# Altium PCB STB_LightBoard.PcbDoc (part 9 of 31) (continued)
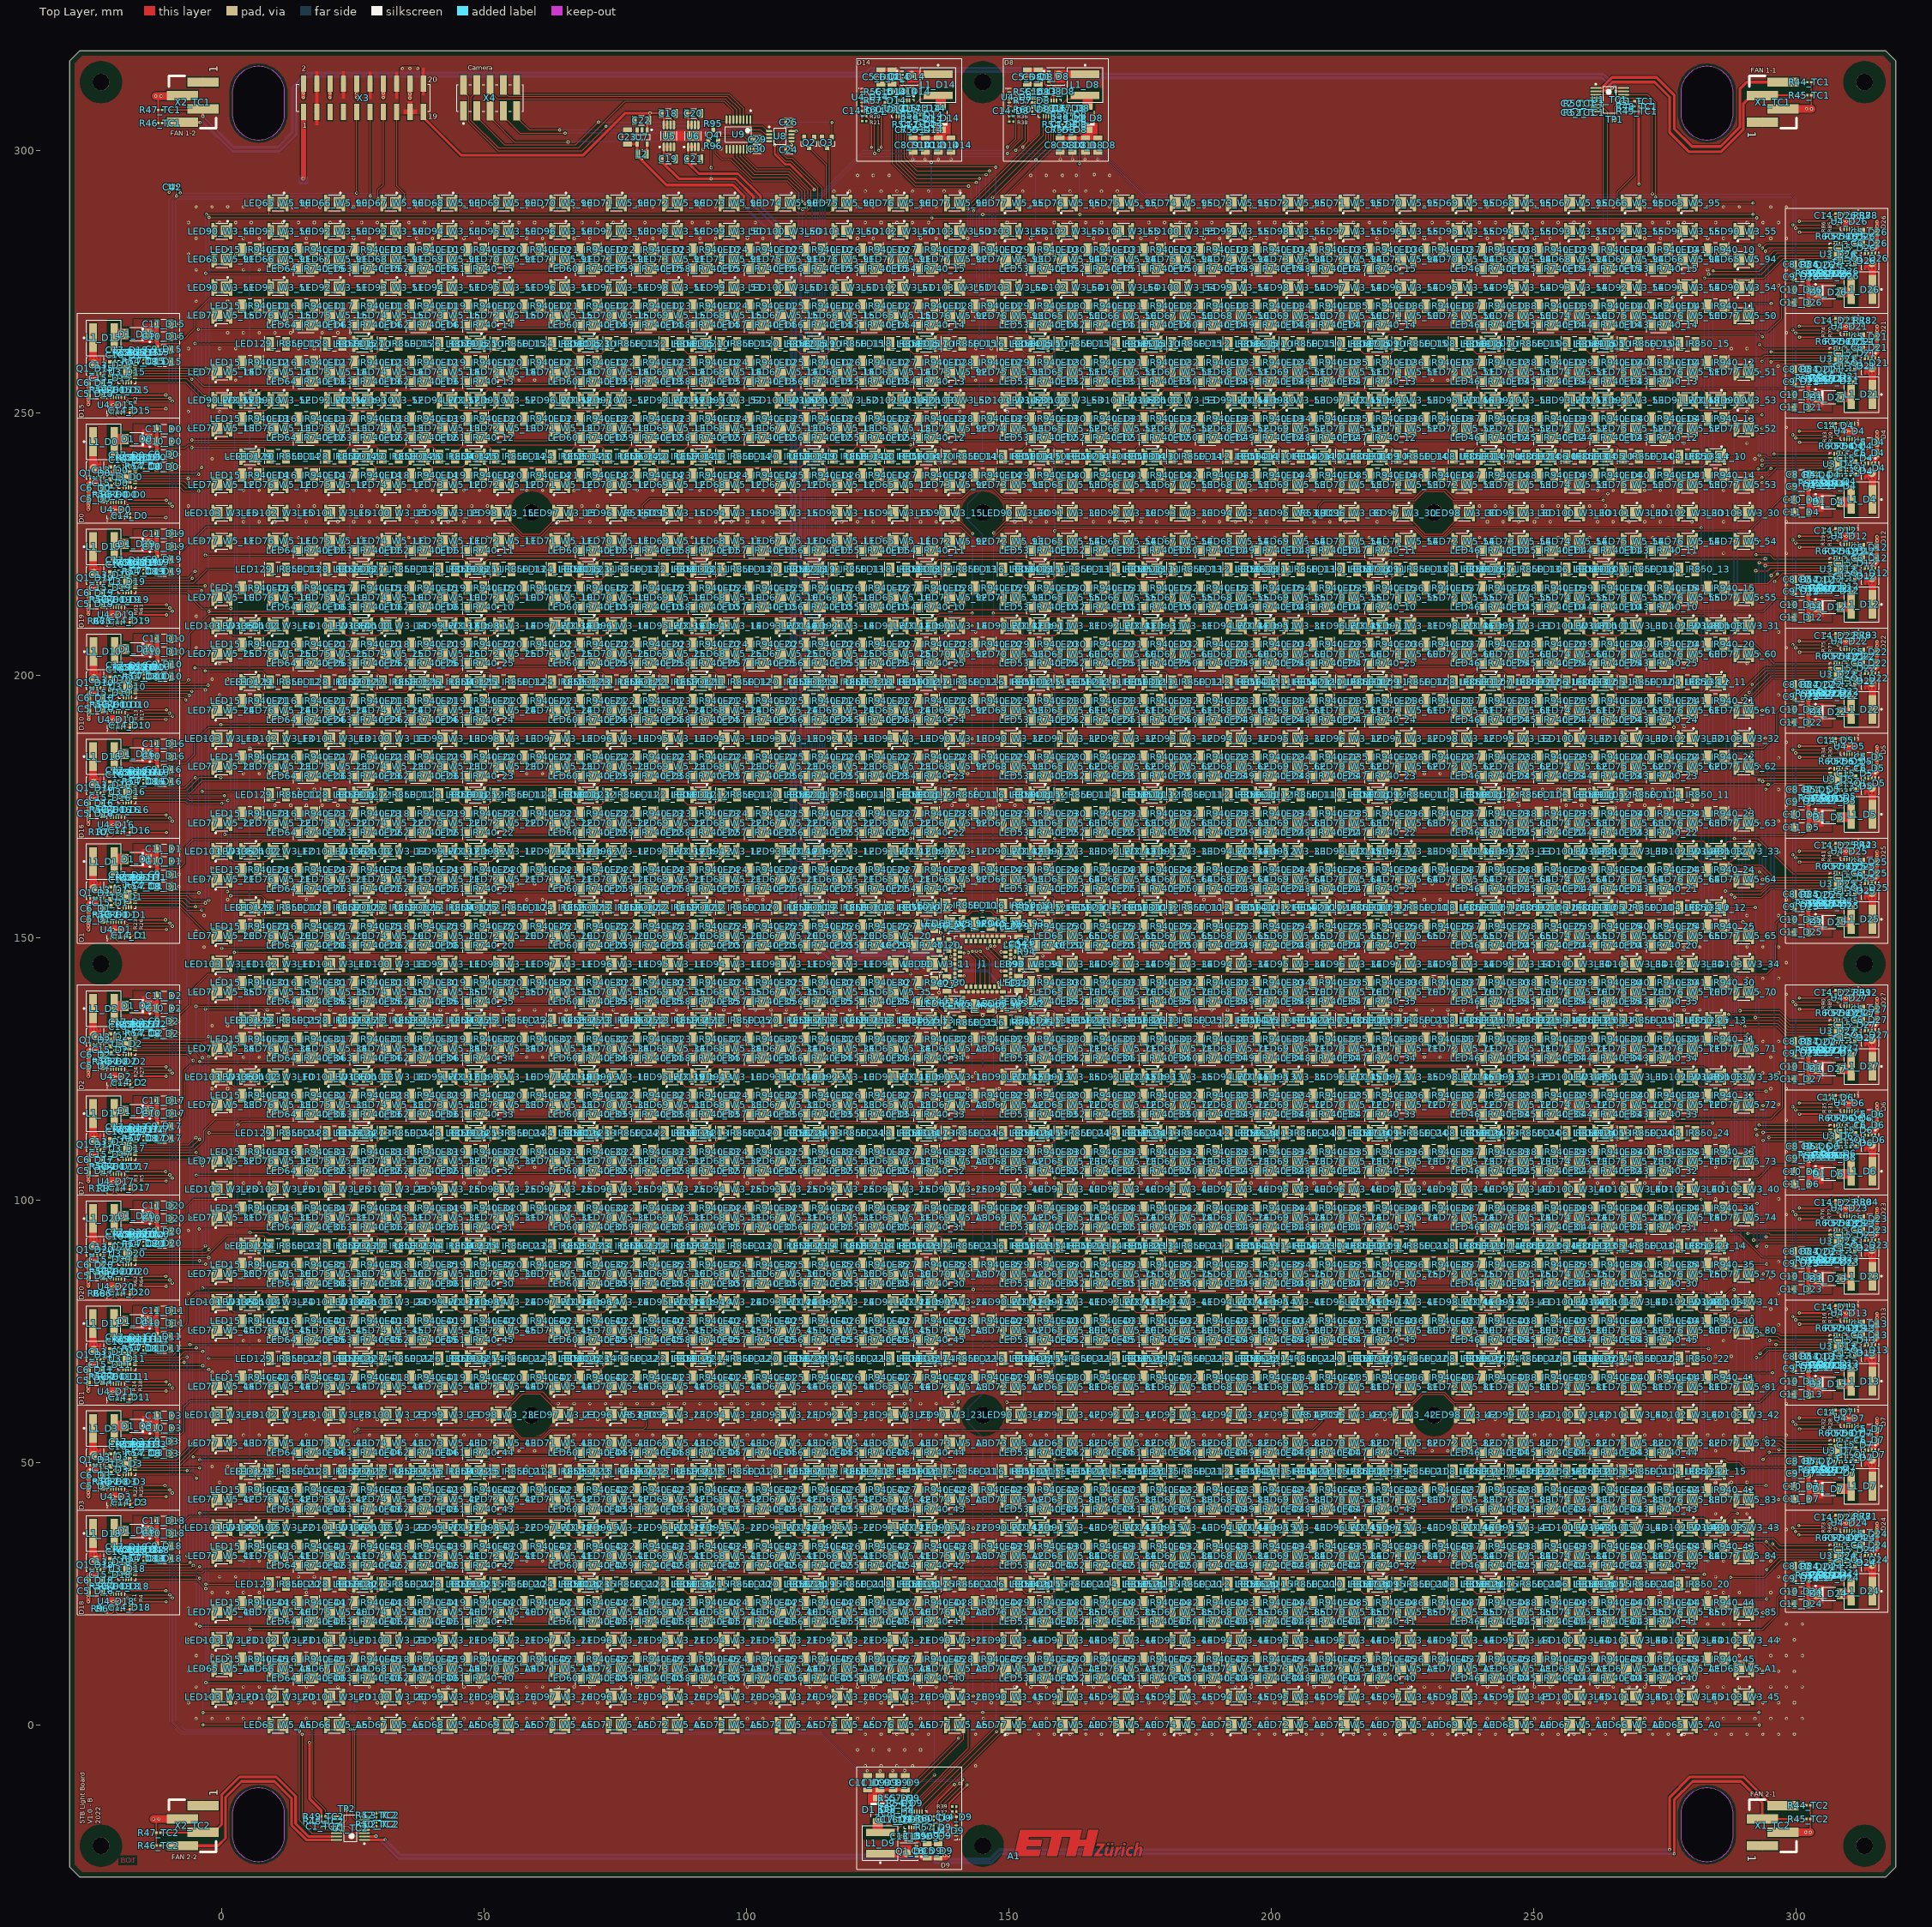
[diagram p0: Top Layer view]
## Components (designator, comment, footprint, x,y, rotation, side; value= is the part's Value field where it differs from the comment) (continued)
LED96_W3_13 "NF2L757GT-F1" NF2W757GT-F1 75.187,187.95 r0 top (schematic designator LED96)
LED96_W3_14 "NF2L757GT-F1" NF2W757GT-F1 75.187,209.43 r0 top (schematic designator LED96)
LED96_W3_15 "NF2L757GT-F1" NF2W757GT-F1 75.187,230.91 r0 top (schematic designator LED96)
LED96_W3_20 "NF2L757GT-F1" NF2W757GT-F1 75.187,5.37 r0 top (schematic designator LED96)
LED96_W3_21 "NF2L757GT-F1" NF2W757GT-F1 75.187,16.11 r0 top (schematic designator LED96)
LED96_W3_22 "NF2L757GT-F1" NF2W757GT-F1 75.187,37.59 r0 top (schematic designator LED96)
LED96_W3_23 "NF2L757GT-F1" NF2W757GT-F1 75.187,59.07 r0 top (schematic designator LED96)
LED96_W3_24 "NF2L757GT-F1" NF2W757GT-F1 75.187,80.55 r0 top (schematic designator LED96)
LED96_W3_25 "NF2L757GT-F1" NF2W757GT-F1 75.187,102.03 r0 top (schematic designator LED96)
LED96_W3_30 "NF2L757GT-F1" NF2W757GT-F1 214.82,230.91 r180 top (schematic designator LED96)
LED96_W3_31 "NF2L757GT-F1" NF2W757GT-F1 214.82,209.43 r180 top (schematic designator LED96)
LED96_W3_32 "NF2L757GT-F1" NF2W757GT-F1 214.82,187.95 r180 top (schematic designator LED96)
LED96_W3_33 "NF2L757GT-F1" NF2W757GT-F1 214.82,166.47 r180 top (schematic designator LED96)
LED96_W3_34 "NF2L757GT-F1" NF2W757GT-F1 214.82,144.99 r180 top (schematic designator LED96)
LED96_W3_35 "NF2L757GT-F1" NF2W757GT-F1 214.82,123.51 r180 top (schematic designator LED96)
LED96_W3_40 "NF2L757GT-F1" NF2W757GT-F1 214.82,102.03 r180 top (schematic designator LED96)
LED96_W3_41 "NF2L757GT-F1" NF2W757GT-F1 214.82,80.55 r180 top (schematic designator LED96)
LED96_W3_42 "NF2L757GT-F1" NF2W757GT-F1 214.82,59.07 r180 top (schematic designator LED96)
LED96_W3_43 "NF2L757GT-F1" NF2W757GT-F1 214.82,37.59 r180 top (schematic designator LED96)
LED96_W3_44 "NF2L757GT-F1" NF2W757GT-F1 214.82,16.11 r180 top (schematic designator LED96)
LED96_W3_45 "NF2L757GT-F1" NF2W757GT-F1 214.82,5.37 r180 top (schematic designator LED96)
LED96_W3_50 "NF2L757GT-F1" NF2W757GT-F1 64.446,284.61 r180 top (schematic designator LED96)
LED96_W3_51 "NF2L757GT-F1" NF2W757GT-F1 64.446,273.87 r180 top (schematic designator LED96)
LED96_W3_52 "NF2L757GT-F1" NF2W757GT-F1 64.446,252.39 r180 top (schematic designator LED96)
LED96_W3_53 "NF2L757GT-F1" NF2W757GT-F1 225.561,252.39 r0 top (schematic designator LED96)
LED96_W3_54 "NF2L757GT-F1" NF2W757GT-F1 225.561,273.87 r0 top (schematic designator LED96)
LED96_W3_55 "NF2L757GT-F1" NF2W757GT-F1 225.561,284.61 r0 top (schematic designator LED96)
LED97_W3_10 "NF2L757GT-F1" NF2W757GT-F1 64.446,123.51 r0 top (schematic designator LED97)
LED97_W3_11 "NF2L757GT-F1" NF2W757GT-F1 64.446,144.99 r0 top (schematic designator LED97)
LED97_W3_12 "NF2L757GT-F1" NF2W757GT-F1 64.446,166.47 r0 top (schematic designator LED97)
LED97_W3_13 "NF2L757GT-F1" NF2W757GT-F1 64.446,187.95 r0 top (schematic designator LED97)
LED97_W3_14 "NF2L757GT-F1" NF2W757GT-F1 64.446,209.43 r0 top (schematic designator LED97)
LED97_W3_15 "NF2L757GT-F1" NF2W757GT-F1 64.946,230.91 r0 top (schematic designator LED97)
LED97_W3_20 "NF2L757GT-F1" NF2W757GT-F1 64.446,5.37 r0 top (schematic designator LED97)
LED97_W3_21 "NF2L757GT-F1" NF2W757GT-F1 64.446,16.11 r0 top (schematic designator LED97)
LED97_W3_22 "NF2L757GT-F1" NF2W757GT-F1 64.446,37.59 r0 top (schematic designator LED97)
LED97_W3_23 "NF2L757GT-F1" NF2W757GT-F1 64.946,59.07 r0 top (schematic designator LED97)
LED97_W3_24 "NF2L757GT-F1" NF2W757GT-F1 64.446,80.55 r0 top (schematic designator LED97)
LED97_W3_25 "NF2L757GT-F1" NF2W757GT-F1 64.446,102.03 r0 top (schematic designator LED97)
LED97_W3_30 "NF2L757GT-F1" NF2W757GT-F1 225.061,230.91 r180 top (schematic designator LED97)
LED97_W3_31 "NF2L757GT-F1" NF2W757GT-F1 225.561,209.43 r180 top (schematic designator LED97)
LED97_W3_32 "NF2L757GT-F1" NF2W757GT-F1 225.561,187.95 r180 top (schematic designator LED97)
LED97_W3_33 "NF2L757GT-F1" NF2W757GT-F1 225.561,166.47 r180 top (schematic designator LED97)
LED97_W3_34 "NF2L757GT-F1" NF2W757GT-F1 225.561,144.99 r180 top (schematic designator LED97)
LED97_W3_35 "NF2L757GT-F1" NF2W757GT-F1 225.561,123.51 r180 top (schematic designator LED97)
LED97_W3_40 "NF2L757GT-F1" NF2W757GT-F1 225.561,102.03 r180 top (schematic designator LED97)
LED97_W3_41 "NF2L757GT-F1" NF2W757GT-F1 225.561,80.55 r180 top (schematic designator LED97)
LED97_W3_42 "NF2L757GT-F1" NF2W757GT-F1 225.061,59.07 r180 top (schematic designator LED97)
LED97_W3_43 "NF2L757GT-F1" NF2W757GT-F1 225.561,37.59 r180 top (schematic designator LED97)
LED97_W3_44 "NF2L757GT-F1" NF2W757GT-F1 225.561,16.11 r180 top (schematic designator LED97)
LED97_W3_45 "NF2L757GT-F1" NF2W757GT-F1 225.561,5.37 r180 top (schematic designator LED97)
LED97_W3_50 "NF2L757GT-F1" NF2W757GT-F1 75.187,284.61 r180 top (schematic designator LED97)
LED97_W3_51 "NF2L757GT-F1" NF2W757GT-F1 75.187,273.87 r180 top (schematic designator LED97)
LED97_W3_52 "NF2L757GT-F1" NF2W757GT-F1 75.187,252.39 r180 top (schematic designator LED97)
LED97_W3_53 "NF2L757GT-F1" NF2W757GT-F1 214.82,252.39 r0 top (schematic designator LED97)
LED97_W3_54 "NF2L757GT-F1" NF2W757GT-F1 214.82,273.87 r0 top (schematic designator LED97)
LED97_W3_55 "NF2L757GT-F1" NF2W757GT-F1 214.82,284.61 r0 top (schematic designator LED97)
LED98_W3_10 "NF2L757GT-F1" NF2W757GT-F1 53.705,123.51 r0 top (schematic designator LED98)
LED98_W3_11 "NF2L757GT-F1" NF2W757GT-F1 53.705,144.99 r0 top (schematic designator LED98)
LED98_W3_12 "NF2L757GT-F1" NF2W757GT-F1 53.705,166.47 r0 top (schematic designator LED98)
LED98_W3_13 "NF2L757GT-F1" NF2W757GT-F1 53.705,187.95 r0 top (schematic designator LED98)
LED98_W3_14 "NF2L757GT-F1" NF2W757GT-F1 53.705,209.43 r0 top (schematic designator LED98)
LED98_W3_15 "NF2L757GT-F1" NF2W757GT-F1 53.205,230.91 r0 top (schematic designator LED98)
LED98_W3_20 "NF2L757GT-F1" NF2W757GT-F1 53.705,5.37 r0 top (schematic designator LED98)
LED98_W3_21 "NF2L757GT-F1" NF2W757GT-F1 53.705,16.11 r0 top (schematic designator LED98)
LED98_W3_22 "NF2L757GT-F1" NF2W757GT-F1 53.705,37.59 r0 top (schematic designator LED98)
LED98_W3_23 "NF2L757GT-F1" NF2W757GT-F1 53.205,59.07 r0 top (schematic designator LED98)
LED98_W3_24 "NF2L757GT-F1" NF2W757GT-F1 53.705,80.55 r0 top (schematic designator LED98)
LED98_W3_25 "NF2L757GT-F1" NF2W757GT-F1 53.705,102.03 r0 top (schematic designator LED98)
LED98_W3_30 "NF2L757GT-F1" NF2W757GT-F1 236.802,230.91 r180 top (schematic designator LED98)
LED98_W3_31 "NF2L757GT-F1" NF2W757GT-F1 236.302,209.43 r180 top (schematic designator LED98)
LED98_W3_32 "NF2L757GT-F1" NF2W757GT-F1 236.302,187.95 r180 top (schematic designator LED98)
LED98_W3_33 "NF2L757GT-F1" NF2W757GT-F1 236.302,166.47 r180 top (schematic designator LED98)
LED98_W3_34 "NF2L757GT-F1" NF2W757GT-F1 236.302,144.99 r180 top (schematic designator LED98)
LED98_W3_35 "NF2L757GT-F1" NF2W757GT-F1 236.302,123.51 r180 top (schematic designator LED98)
LED98_W3_40 "NF2L757GT-F1" NF2W757GT-F1 236.302,102.03 r180 top (schematic designator LED98)
LED98_W3_41 "NF2L757GT-F1" NF2W757GT-F1 236.302,80.55 r180 top (schematic designator LED98)
LED98_W3_42 "NF2L757GT-F1" NF2W757GT-F1 236.802,59.07 r180 top (schematic designator LED98)
LED98_W3_43 "NF2L757GT-F1" NF2W757GT-F1 236.302,37.59 r180 top (schematic designator LED98)
LED98_W3_44 "NF2L757GT-F1" NF2W757GT-F1 236.302,16.11 r180 top (schematic designator LED98)
LED98_W3_45 "NF2L757GT-F1" NF2W757GT-F1 236.302,5.37 r180 top (schematic designator LED98)
LED98_W3_50 "NF2L757GT-F1" NF2W757GT-F1 85.928,284.61 r180 top (schematic designator LED98)
LED98_W3_51 "NF2L757GT-F1" NF2W757GT-F1 85.928,273.87 r180 top (schematic designator LED98)
LED98_W3_52 "NF2L757GT-F1" NF2W757GT-F1 85.928,252.39 r180 top (schematic designator LED98)
LED98_W3_53 "NF2L757GT-F1" NF2W757GT-F1 204.079,252.39 r0 top (schematic designator LED98)
LED98_W3_54 "NF2L757GT-F1" NF2W757GT-F1 204.079,273.87 r0 top (schematic designator LED98)
LED98_W3_55 "NF2L757GT-F1" NF2W757GT-F1 204.079,284.61 r0 top (schematic designator LED98)
LED99_W3_10 "NF2L757GT-F1" NF2W757GT-F1 42.964,123.51 r0 top (schematic designator LED99)
LED99_W3_11 "NF2L757GT-F1" NF2W757GT-F1 42.964,144.99 r0 top (schematic designator LED99)
LED99_W3_12 "NF2L757GT-F1" NF2W757GT-F1 42.964,166.47 r0 top (schematic designator LED99)
LED99_W3_13 "NF2L757GT-F1" NF2W757GT-F1 42.964,187.95 r0 top (schematic designator LED99)
LED99_W3_14 "NF2L757GT-F1" NF2W757GT-F1 42.964,209.43 r0 top (schematic designator LED99)
LED99_W3_15 "NF2L757GT-F1" NF2W757GT-F1 42.964,230.91 r0 top (schematic designator LED99)
LED99_W3_20 "NF2L757GT-F1" NF2W757GT-F1 42.964,5.37 r0 top (schematic designator LED99)
LED99_W3_21 "NF2L757GT-F1" NF2W757GT-F1 42.964,16.11 r0 top (schematic designator LED99)
LED99_W3_22 "NF2L757GT-F1" NF2W757GT-F1 42.964,37.59 r0 top (schematic designator LED99)
LED99_W3_23 "NF2L757GT-F1" NF2W757GT-F1 42.964,59.07 r0 top (schematic designator LED99)
LED99_W3_24 "NF2L757GT-F1" NF2W757GT-F1 42.964,80.55 r0 top (schematic designator LED99)
LED99_W3_25 "NF2L757GT-F1" NF2W757GT-F1 42.964,102.03 r0 top (schematic designator LED99)
LED99_W3_30 "NF2L757GT-F1" NF2W757GT-F1 247.043,230.91 r180 top (schematic designator LED99)
LED99_W3_31 "NF2L757GT-F1" NF2W757GT-F1 247.043,209.43 r180 top (schematic designator LED99)
LED99_W3_32 "NF2L757GT-F1" NF2W757GT-F1 247.043,187.95 r180 top (schematic designator LED99)
LED99_W3_33 "NF2L757GT-F1" NF2W757GT-F1 247.043,166.47 r180 top (schematic designator LED99)
LED99_W3_34 "NF2L757GT-F1" NF2W757GT-F1 247.043,144.99 r180 top (schematic designator LED99)
LED99_W3_35 "NF2L757GT-F1" NF2W757GT-F1 247.043,123.51 r180 top (schematic designator LED99)
LED99_W3_40 "NF2L757GT-F1" NF2W757GT-F1 247.043,102.03 r180 top (schematic designator LED99)
LED99_W3_41 "NF2L757GT-F1" NF2W757GT-F1 247.043,80.55 r180 top (schematic designator LED99)
LED99_W3_42 "NF2L757GT-F1" NF2W757GT-F1 247.043,59.07 r180 top (schematic designator LED99)
LED99_W3_43 "NF2L757GT-F1" NF2W757GT-F1 247.043,37.59 r180 top (schematic designator LED99)
LED99_W3_44 "NF2L757GT-F1" NF2W757GT-F1 247.043,16.11 r180 top (schematic designator LED99)
LED99_W3_45 "NF2L757GT-F1" NF2W757GT-F1 247.043,5.37 r180 top (schematic designator LED99)
LED99_W3_50 "NF2L757GT-F1" NF2W757GT-F1 96.669,284.61 r180 top (schematic designator LED99)
LED99_W3_51 "NF2L757GT-F1" NF2W757GT-F1 96.669,273.87 r180 top (schematic designator LED99)
LED99_W3_52 "NF2L757GT-F1" NF2W757GT-F1 96.669,252.39 r180 top (schematic designator LED99)
LED99_W3_53 "NF2L757GT-F1" NF2W757GT-F1 193.338,252.39 r0 top (schematic designator LED99)
LED99_W3_54 "NF2L757GT-F1" NF2W757GT-F1 193.338,273.87 r0 top (schematic designator LED99)
LED99_W3_55 "NF2L757GT-F1" NF2W757GT-F1 193.338,284.61 r0 top (schematic designator LED99)
LED100_W3_10 "NF2L757GT-F1" NF2W757GT-F1 32.223,123.51 r0 top (schematic designator LED100)
LED100_W3_11 "NF2L757GT-F1" NF2W757GT-F1 32.223,144.99 r0 top (schematic designator LED100)
LED100_W3_12 "NF2L757GT-F1" NF2W757GT-F1 32.223,166.47 r0 top (schematic designator LED100)
LED100_W3_13 "NF2L757GT-F1" NF2W757GT-F1 32.223,187.95 r0 top (schematic designator LED100)
LED100_W3_14 "NF2L757GT-F1" NF2W757GT-F1 32.223,209.43 r0 top (schematic designator LED100)
LED100_W3_15 "NF2L757GT-F1" NF2W757GT-F1 32.223,230.91 r0 top (schematic designator LED100)
LED100_W3_20 "NF2L757GT-F1" NF2W757GT-F1 32.223,5.37 r0 top (schematic designator LED100)
LED100_W3_21 "NF2L757GT-F1" NF2W757GT-F1 32.223,16.11 r0 top (schematic designator LED100)
LED100_W3_22 "NF2L757GT-F1" NF2W757GT-F1 32.223,37.59 r0 top (schematic designator LED100)
LED100_W3_23 "NF2L757GT-F1" NF2W757GT-F1 32.223,59.07 r0 top (schematic designator LED100)
LED100_W3_24 "NF2L757GT-F1" NF2W757GT-F1 32.223,80.55 r0 top (schematic designator LED100)
LED100_W3_25 "NF2L757GT-F1" NF2W757GT-F1 32.223,102.03 r0 top (schematic designator LED100)
LED100_W3_30 "NF2L757GT-F1" NF2W757GT-F1 257.784,230.91 r180 top (schematic designator LED100)
LED100_W3_31 "NF2L757GT-F1" NF2W757GT-F1 257.784,209.43 r180 top (schematic designator LED100)
LED100_W3_32 "NF2L757GT-F1" NF2W757GT-F1 257.784,187.95 r180 top (schematic designator LED100)
LED100_W3_33 "NF2L757GT-F1" NF2W757GT-F1 257.784,166.47 r180 top (schematic designator LED100)
LED100_W3_34 "NF2L757GT-F1" NF2W757GT-F1 257.784,144.99 r180 top (schematic designator LED100)
LED100_W3_35 "NF2L757GT-F1" NF2W757GT-F1 257.784,123.51 r180 top (schematic designator LED100)
LED100_W3_40 "NF2L757GT-F1" NF2W757GT-F1 257.784,102.03 r180 top (schematic designator LED100)
LED100_W3_41 "NF2L757GT-F1" NF2W757GT-F1 257.784,80.55 r180 top (schematic designator LED100)
LED100_W3_42 "NF2L757GT-F1" NF2W757GT-F1 257.784,59.07 r180 top (schematic designator LED100)
LED100_W3_43 "NF2L757GT-F1" NF2W757GT-F1 257.784,37.59 r180 top (schematic designator LED100)
LED100_W3_44 "NF2L757GT-F1" NF2W757GT-F1 257.784,16.11 r180 top (schematic designator LED100)
LED100_W3_45 "NF2L757GT-F1" NF2W757GT-F1 257.784,5.37 r180 top (schematic designator LED100)
LED100_W3_50 "NF2L757GT-F1" NF2W757GT-F1 107.41,284.61 r180 top (schematic designator LED100)
LED100_W3_51 "NF2L757GT-F1" NF2W757GT-F1 107.41,273.87 r180 top (schematic designator LED100)
LED100_W3_52 "NF2L757GT-F1" NF2W757GT-F1 107.41,252.39 r180 top (schematic designator LED100)
LED100_W3_53 "NF2L757GT-F1" NF2W757GT-F1 182.597,252.39 r0 top (schematic designator LED100)
LED100_W3_54 "NF2L757GT-F1" NF2W757GT-F1 182.597,273.87 r0 top (schematic designator LED100)
LED100_W3_55 "NF2L757GT-F1" NF2W757GT-F1 182.597,284.61 r0 top (schematic designator LED100)
LED101_W3_10 "NF2L757GT-F1" NF2W757GT-F1 21.482,123.51 r0 top (schematic designator LED101)
LED101_W3_11 "NF2L757GT-F1" NF2W757GT-F1 21.482,144.99 r0 top (schematic designator LED101)
LED101_W3_12 "NF2L757GT-F1" NF2W757GT-F1 21.482,166.47 r0 top (schematic designator LED101)
LED101_W3_13 "NF2L757GT-F1" NF2W757GT-F1 21.482,187.95 r0 top (schematic designator LED101)
LED101_W3_14 "NF2L757GT-F1" NF2W757GT-F1 21.482,209.43 r0 top (schematic designator LED101)
LED101_W3_15 "NF2L757GT-F1" NF2W757GT-F1 21.482,230.91 r0 top (schematic designator LED101)
LED101_W3_20 "NF2L757GT-F1" NF2W757GT-F1 21.482,5.37 r0 top (schematic designator LED101)
LED101_W3_21 "NF2L757GT-F1" NF2W757GT-F1 21.482,16.11 r0 top (schematic designator LED101)
LED101_W3_22 "NF2L757GT-F1" NF2W757GT-F1 21.482,37.59 r0 top (schematic designator LED101)
LED101_W3_23 "NF2L757GT-F1" NF2W757GT-F1 21.482,59.07 r0 top (schematic designator LED101)
LED101_W3_24 "NF2L757GT-F1" NF2W757GT-F1 21.482,80.55 r0 top (schematic designator LED101)
LED101_W3_25 "NF2L757GT-F1" NF2W757GT-F1 21.482,102.03 r0 top (schematic designator LED101)
LED101_W3_30 "NF2L757GT-F1" NF2W757GT-F1 268.525,230.91 r180 top (schematic designator LED101)
LED101_W3_31 "NF2L757GT-F1" NF2W757GT-F1 268.525,209.43 r180 top (schematic designator LED101)
LED101_W3_32 "NF2L757GT-F1" NF2W757GT-F1 268.525,187.95 r180 top (schematic designator LED101)
LED101_W3_33 "NF2L757GT-F1" NF2W757GT-F1 268.525,166.47 r180 top (schematic designator LED101)
LED101_W3_34 "NF2L757GT-F1" NF2W757GT-F1 268.525,144.99 r180 top (schematic designator LED101)
LED101_W3_35 "NF2L757GT-F1" NF2W757GT-F1 268.525,123.51 r180 top (schematic designator LED101)
LED101_W3_40 "NF2L757GT-F1" NF2W757GT-F1 268.525,102.03 r180 top (schematic designator LED101)
LED101_W3_41 "NF2L757GT-F1" NF2W757GT-F1 268.525,80.55 r180 top (schematic designator LED101)
LED101_W3_42 "NF2L757GT-F1" NF2W757GT-F1 268.525,59.07 r180 top (schematic designator LED101)
LED101_W3_43 "NF2L757GT-F1" NF2W757GT-F1 268.525,37.59 r180 top (schematic designator LED101)
LED101_W3_44 "NF2L757GT-F1" NF2W757GT-F1 268.525,16.11 r180 top (schematic designator LED101)
LED101_W3_45 "NF2L757GT-F1" NF2W757GT-F1 268.525,5.37 r180 top (schematic designator LED101)
LED101_W3_50 "NF2L757GT-F1" NF2W757GT-F1 118.151,284.61 r180 top (schematic designator LED101)
LED101_W3_51 "NF2L757GT-F1" NF2W757GT-F1 118.151,273.87 r180 top (schematic designator LED101)
LED101_W3_52 "NF2L757GT-F1" NF2W757GT-F1 118.151,252.39 r180 top (schematic designator LED101)
LED101_W3_53 "NF2L757GT-F1" NF2W757GT-F1 171.856,252.39 r0 top (schematic designator LED101)
LED101_W3_54 "NF2L757GT-F1" NF2W757GT-F1 171.856,273.87 r0 top (schematic designator LED101)
LED101_W3_55 "NF2L757GT-F1" NF2W757GT-F1 171.856,284.61 r0 top (schematic designator LED101)
LED102_W3_10 "NF2L757GT-F1" NF2W757GT-F1 10.741,123.51 r0 top (schematic designator LED102)
LED102_W3_11 "NF2L757GT-F1" NF2W757GT-F1 10.741,144.99 r0 top (schematic designator LED102)
LED102_W3_12 "NF2L757GT-F1" NF2W757GT-F1 10.741,166.47 r0 top (schematic designator LED102)
LED102_W3_13 "NF2L757GT-F1" NF2W757GT-F1 10.741,187.95 r0 top (schematic designator LED102)
LED102_W3_14 "NF2L757GT-F1" NF2W757GT-F1 10.741,209.43 r0 top (schematic designator LED102)
LED102_W3_15 "NF2L757GT-F1" NF2W757GT-F1 10.741,230.91 r0 top (schematic designator LED102)
LED102_W3_20 "NF2L757GT-F1" NF2W757GT-F1 10.741,5.37 r0 top (schematic designator LED102)
LED102_W3_21 "NF2L757GT-F1" NF2W757GT-F1 10.741,16.11 r0 top (schematic designator LED102)
LED102_W3_22 "NF2L757GT-F1" NF2W757GT-F1 10.741,37.59 r0 top (schematic designator LED102)
LED102_W3_23 "NF2L757GT-F1" NF2W757GT-F1 10.741,59.07 r0 top (schematic designator LED102)
LED102_W3_24 "NF2L757GT-F1" NF2W757GT-F1 10.741,80.55 r0 top (schematic designator LED102)
LED102_W3_25 "NF2L757GT-F1" NF2W757GT-F1 10.741,102.03 r0 top (schematic designator LED102)
LED102_W3_30 "NF2L757GT-F1" NF2W757GT-F1 279.266,230.91 r180 top (schematic designator LED102)
LED102_W3_31 "NF2L757GT-F1" NF2W757GT-F1 279.266,209.43 r180 top (schematic designator LED102)
LED102_W3_32 "NF2L757GT-F1" NF2W757GT-F1 279.266,187.95 r180 top (schematic designator LED102)
LED102_W3_33 "NF2L757GT-F1" NF2W757GT-F1 279.266,166.47 r180 top (schematic designator LED102)
LED102_W3_34 "NF2L757GT-F1" NF2W757GT-F1 279.266,144.99 r180 top (schematic designator LED102)
LED102_W3_35 "NF2L757GT-F1" NF2W757GT-F1 279.266,123.51 r180 top (schematic designator LED102)
LED102_W3_40 "NF2L757GT-F1" NF2W757GT-F1 279.266,102.03 r180 top (schematic designator LED102)
LED102_W3_41 "NF2L757GT-F1" NF2W757GT-F1 279.266,80.55 r180 top (schematic designator LED102)
LED102_W3_42 "NF2L757GT-F1" NF2W757GT-F1 279.266,59.07 r180 top (schematic designator LED102)
LED102_W3_43 "NF2L757GT-F1" NF2W757GT-F1 279.266,37.59 r180 top (schematic designator LED102)
LED102_W3_44 "NF2L757GT-F1" NF2W757GT-F1 279.266,16.11 r180 top (schematic designator LED102)
LED102_W3_45 "NF2L757GT-F1" NF2W757GT-F1 279.266,5.37 r180 top (schematic designator LED102)
LED102_W3_50 "NF2L757GT-F1" NF2W757GT-F1 128.892,284.61 r180 top (schematic designator LED102)
LED102_W3_51 "NF2L757GT-F1" NF2W757GT-F1 128.892,273.87 r180 top (schematic designator LED102)
LED102_W3_52 "NF2L757GT-F1" NF2W757GT-F1 128.892,252.39 r180 top (schematic designator LED102)
LED102_W3_53 "NF2L757GT-F1" NF2W757GT-F1 161.115,252.39 r0 top (schematic designator LED102)
LED102_W3_54 "NF2L757GT-F1" NF2W757GT-F1 161.115,273.87 r0 top (schematic designator LED102)
LED102_W3_55 "NF2L757GT-F1" NF2W757GT-F1 161.115,284.61 r0 top (schematic designator LED102)
LED103_W3_10 "NF2L757GT-F1" NF2W757GT-F1 0,123.51 r0 top (schematic designator LED103)
LED103_W3_11 "NF2L757GT-F1" NF2W757GT-F1 0,144.99 r0 top (schematic designator LED103)
LED103_W3_12 "NF2L757GT-F1" NF2W757GT-F1 0,166.47 r0 top (schematic designator LED103)
LED103_W3_13 "NF2L757GT-F1" NF2W757GT-F1 0,187.95 r0 top (schematic designator LED103)
LED103_W3_14 "NF2L757GT-F1" NF2W757GT-F1 0,209.43 r0 top (schematic designator LED103)
LED103_W3_15 "NF2L757GT-F1" NF2W757GT-F1 0,230.91 r0 top (schematic designator LED103)
LED103_W3_20 "NF2L757GT-F1" NF2W757GT-F1 0,5.37 r0 top (schematic designator LED103)
LED103_W3_21 "NF2L757GT-F1" NF2W757GT-F1 0,16.11 r0 top (schematic designator LED103)
LED103_W3_22 "NF2L757GT-F1" NF2W757GT-F1 0,37.59 r0 top (schematic designator LED103)
LED103_W3_23 "NF2L757GT-F1" NF2W757GT-F1 0,59.07 r0 top (schematic designator LED103)
LED103_W3_24 "NF2L757GT-F1" NF2W757GT-F1 0,80.55 r0 top (schematic designator LED103)
LED103_W3_25 "NF2L757GT-F1" NF2W757GT-F1 0,102.03 r0 top (schematic designator LED103)
LED103_W3_30 "NF2L757GT-F1" NF2W757GT-F1 290.007,230.91 r180 top (schematic designator LED103)
LED103_W3_31 "NF2L757GT-F1" NF2W757GT-F1 290.007,209.43 r180 top (schematic designator LED103)
LED103_W3_32 "NF2L757GT-F1" NF2W757GT-F1 290.007,187.95 r180 top (schematic designator LED103)
LED103_W3_33 "NF2L757GT-F1" NF2W757GT-F1 290.007,166.47 r180 top (schematic designator LED103)
LED103_W3_34 "NF2L757GT-F1" NF2W757GT-F1 290.007,144.99 r180 top (schematic designator LED103)
LED103_W3_35 "NF2L757GT-F1" NF2W757GT-F1 290.007,123.51 r180 top (schematic designator LED103)
LED103_W3_40 "NF2L757GT-F1" NF2W757GT-F1 290.007,102.03 r180 top (schematic designator LED103)
LED103_W3_41 "NF2L757GT-F1" NF2W757GT-F1 290.007,80.55 r180 top (schematic designator LED103)
LED103_W3_42 "NF2L757GT-F1" NF2W757GT-F1 290.007,59.07 r180 top (schematic designator LED103)
LED103_W3_43 "NF2L757GT-F1" NF2W757GT-F1 290.007,37.59 r180 top (schematic designator LED103)
LED103_W3_44 "NF2L757GT-F1" NF2W757GT-F1 290.007,16.11 r180 top (schematic designator LED103)
LED103_W3_45 "NF2L757GT-F1" NF2W757GT-F1 290.007,5.37 r180 top (schematic designator LED103)
LED103_W3_50 "NF2L757GT-F1" NF2W757GT-F1 139.633,284.61 r180 top (schematic designator LED103)
LED103_W3_51 "NF2L757GT-F1" NF2W757GT-F1 139.633,273.87 r180 top (schematic designator LED103)
LED103_W3_52 "NF2L757GT-F1" NF2W757GT-F1 139.633,252.39 r180 top (schematic designator LED103)
LED103_W3_53 "NF2L757GT-F1" NF2W757GT-F1 150.374,252.39 r0 top (schematic designator LED103)
LED103_W3_54 "NF2L757GT-F1" NF2W757GT-F1 150.374,273.87 r0 top (schematic designator LED103)
LED103_W3_55 "NF2L757GT-F1" NF2W757GT-F1 150.374,284.61 r0 top (schematic designator LED103)
LED104_IR850_10 "AREM-80C0-LM000" AREM-80C0-LM000 279.266,155.744 r0 top (schematic designator LED104)
LED104_IR850_11 "AREM-80C0-LM000" AREM-80C0-LM000 279.266,177.226 r0 top (schematic designator LED104)
LED104_IR850_12 "AREM-80C0-LM000" AREM-80C0-LM000 279.266,198.708 r0 top (schematic designator LED104)
LED104_IR850_13 "AREM-80C0-LM000" AREM-80C0-LM000 279.266,220.19 r0 top (schematic designator LED104)
LED104_IR850_14 "AREM-80C0-LM000" AREM-80C0-LM000 279.266,241.672 r0 top (schematic designator LED104)
LED104_IR850_15 "AREM-80C0-LM000" AREM-80C0-LM000 279.266,263.154 r0 top (schematic designator LED104)
LED104_IR850_20 "AREM-80C0-LM000" AREM-80C0-LM000 279.266,26.852 r0 top (schematic designator LED104)
LED104_IR850_21 "AREM-80C0-LM000" AREM-80C0-LM000 279.266,48.334 r0 top (schematic designator LED104)
LED104_IR850_22 "AREM-80C0-LM000" AREM-80C0-LM000 279.266,69.816 r0 top (schematic designator LED104)
LED104_IR850_23 "AREM-80C0-LM000" AREM-80C0-LM000 279.266,91.298 r0 top (schematic designator LED104)
LED104_IR850_24 "AREM-80C0-LM000" AREM-80C0-LM000 279.266,112.78 r0 top (schematic designator LED104)
LED104_IR850_25 "AREM-80C0-LM000" AREM-80C0-LM000 279.266,134.262 r0 top (schematic designator LED104)
LED105_IR850_10 "AREM-80C0-LM000" AREM-80C0-LM000 268.525,155.744 r0 top (schematic designator LED105)
LED105_IR850_11 "AREM-80C0-LM000" AREM-80C0-LM000 268.525,177.226 r0 top (schematic designator LED105)
LED105_IR850_12 "AREM-80C0-LM000" AREM-80C0-LM000 268.525,198.708 r0 top (schematic designator LED105)
LED105_IR850_13 "AREM-80C0-LM000" AREM-80C0-LM000 268.525,220.19 r0 top (schematic designator LED105)
LED105_IR850_14 "AREM-80C0-LM000" AREM-80C0-LM000 268.525,241.672 r0 top (schematic designator LED105)
LED105_IR850_15 "AREM-80C0-LM000" AREM-80C0-LM000 268.525,263.154 r0 top (schematic designator LED105)
LED105_IR850_20 "AREM-80C0-LM000" AREM-80C0-LM000 268.525,26.852 r0 top (schematic designator LED105)
LED105_IR850_21 "AREM-80C0-LM000" AREM-80C0-LM000 268.525,48.334 r0 top (schematic designator LED105)
LED105_IR850_22 "AREM-80C0-LM000" AREM-80C0-LM000 268.525,69.816 r0 top (schematic designator LED105)
LED105_IR850_23 "AREM-80C0-LM000" AREM-80C0-LM000 268.525,91.298 r0 top (schematic designator LED105)
LED105_IR850_24 "AREM-80C0-LM000" AREM-80C0-LM000 268.525,112.78 r0 top (schematic designator LED105)
LED105_IR850_25 "AREM-80C0-LM000" AREM-80C0-LM000 268.525,134.262 r0 top (schematic designator LED105)
LED106_IR850_10 "AREM-80C0-LM000" AREM-80C0-LM000 257.784,155.744 r0 top (schematic designator LED106)
LED106_IR850_11 "AREM-80C0-LM000" AREM-80C0-LM000 257.784,177.226 r0 top (schematic designator LED106)
LED106_IR850_12 "AREM-80C0-LM000" AREM-80C0-LM000 257.784,198.708 r0 top (schematic designator LED106)
LED106_IR850_13 "AREM-80C0-LM000" AREM-80C0-LM000 257.784,220.19 r0 top (schematic designator LED106)
LED106_IR850_14 "AREM-80C0-LM000" AREM-80C0-LM000 257.784,241.672 r0 top (schematic designator LED106)
LED106_IR850_15 "AREM-80C0-LM000" AREM-80C0-LM000 257.784,263.154 r0 top (schematic designator LED106)
LED106_IR850_20 "AREM-80C0-LM000" AREM-80C0-LM000 257.784,26.852 r0 top (schematic designator LED106)
LED106_IR850_21 "AREM-80C0-LM000" AREM-80C0-LM000 257.784,48.334 r0 top (schematic designator LED106)
LED106_IR850_22 "AREM-80C0-LM000" AREM-80C0-LM000 257.784,69.816 r0 top (schematic designator LED106)
LED106_IR850_23 "AREM-80C0-LM000" AREM-80C0-LM000 257.784,91.298 r0 top (schematic designator LED106)
LED106_IR850_24 "AREM-80C0-LM000" AREM-80C0-LM000 257.784,112.78 r0 top (schematic designator LED106)
LED106_IR850_25 "AREM-80C0-LM000" AREM-80C0-LM000 257.784,134.262 r0 top (schematic designator LED106)
LED107_IR850_10 "AREM-80C0-LM000" AREM-80C0-LM000 247.043,155.744 r0 top (schematic designator LED107)
LED107_IR850_11 "AREM-80C0-LM000" AREM-80C0-LM000 247.043,177.226 r0 top (schematic designator LED107)
LED107_IR850_12 "AREM-80C0-LM000" AREM-80C0-LM000 247.043,198.708 r0 top (schematic designator LED107)
LED107_IR850_13 "AREM-80C0-LM000" AREM-80C0-LM000 247.043,220.19 r0 top (schematic designator LED107)
LED107_IR850_14 "AREM-80C0-LM000" AREM-80C0-LM000 247.043,241.672 r0 top (schematic designator LED107)
LED107_IR850_15 "AREM-80C0-LM000" AREM-80C0-LM000 247.043,263.154 r0 top (schematic designator LED107)
LED107_IR850_20 "AREM-80C0-LM000" AREM-80C0-LM000 247.043,26.852 r0 top (schematic designator LED107)
LED107_IR850_21 "AREM-80C0-LM000" AREM-80C0-LM000 247.043,48.334 r0 top (schematic designator LED107)
LED107_IR850_22 "AREM-80C0-LM000" AREM-80C0-LM000 247.043,69.816 r0 top (schematic designator LED107)
LED107_IR850_23 "AREM-80C0-LM000" AREM-80C0-LM000 247.043,91.298 r0 top (schematic designator LED107)
LED107_IR850_24 "AREM-80C0-LM000" AREM-80C0-LM000 247.043,112.78 r0 top (schematic designator LED107)
LED107_IR850_25 "AREM-80C0-LM000" AREM-80C0-LM000 247.043,134.262 r0 top (schematic designator LED107)
LED108_IR850_10 "AREM-80C0-LM000" AREM-80C0-LM000 236.302,155.744 r0 top (schematic designator LED108)
LED108_IR850_11 "AREM-80C0-LM000" AREM-80C0-LM000 236.302,177.226 r0 top (schematic designator LED108)
LED108_IR850_12 "AREM-80C0-LM000" AREM-80C0-LM000 236.302,198.708 r0 top (schematic designator LED108)
LED108_IR850_13 "AREM-80C0-LM000" AREM-80C0-LM000 236.302,220.19 r0 top (schematic designator LED108)
LED108_IR850_14 "AREM-80C0-LM000" AREM-80C0-LM000 236.302,241.672 r0 top (schematic designator LED108)
LED108_IR850_15 "AREM-80C0-LM000" AREM-80C0-LM000 236.302,263.154 r0 top (schematic designator LED108)
LED108_IR850_20 "AREM-80C0-LM000" AREM-80C0-LM000 236.302,26.852 r0 top (schematic designator LED108)
LED108_IR850_21 "AREM-80C0-LM000" AREM-80C0-LM000 236.302,48.334 r0 top (schematic designator LED108)
LED108_IR850_22 "AREM-80C0-LM000" AREM-80C0-LM000 236.302,69.816 r0 top (schematic designator LED108)
LED108_IR850_23 "AREM-80C0-LM000" AREM-80C0-LM000 236.302,91.298 r0 top (schematic designator LED108)
LED108_IR850_24 "AREM-80C0-LM000" AREM-80C0-LM000 236.302,112.78 r0 top (schematic designator LED108)
LED108_IR850_25 "AREM-80C0-LM000" AREM-80C0-LM000 236.302,134.262 r0 top (schematic designator LED108)
LED109_IR850_10 "AREM-80C0-LM000" AREM-80C0-LM000 225.561,155.744 r0 top (schematic designator LED109)
LED109_IR850_11 "AREM-80C0-LM000" AREM-80C0-LM000 225.561,177.226 r0 top (schematic designator LED109)
LED109_IR850_12 "AREM-80C0-LM000" AREM-80C0-LM000 225.561,198.708 r0 top (schematic designator LED109)
LED109_IR850_13 "AREM-80C0-LM000" AREM-80C0-LM000 225.561,220.19 r0 top (schematic designator LED109)
LED109_IR850_14 "AREM-80C0-LM000" AREM-80C0-LM000 225.561,241.672 r0 top (schematic designator LED109)
LED109_IR850_15 "AREM-80C0-LM000" AREM-80C0-LM000 225.561,263.154 r0 top (schematic designator LED109)
LED109_IR850_20 "AREM-80C0-LM000" AREM-80C0-LM000 225.561,26.852 r0 top (schematic designator LED109)
LED109_IR850_21 "AREM-80C0-LM000" AREM-80C0-LM000 225.561,48.334 r0 top (schematic designator LED109)